# KiCad board rabbit_mask.kicad_pcb (continued)
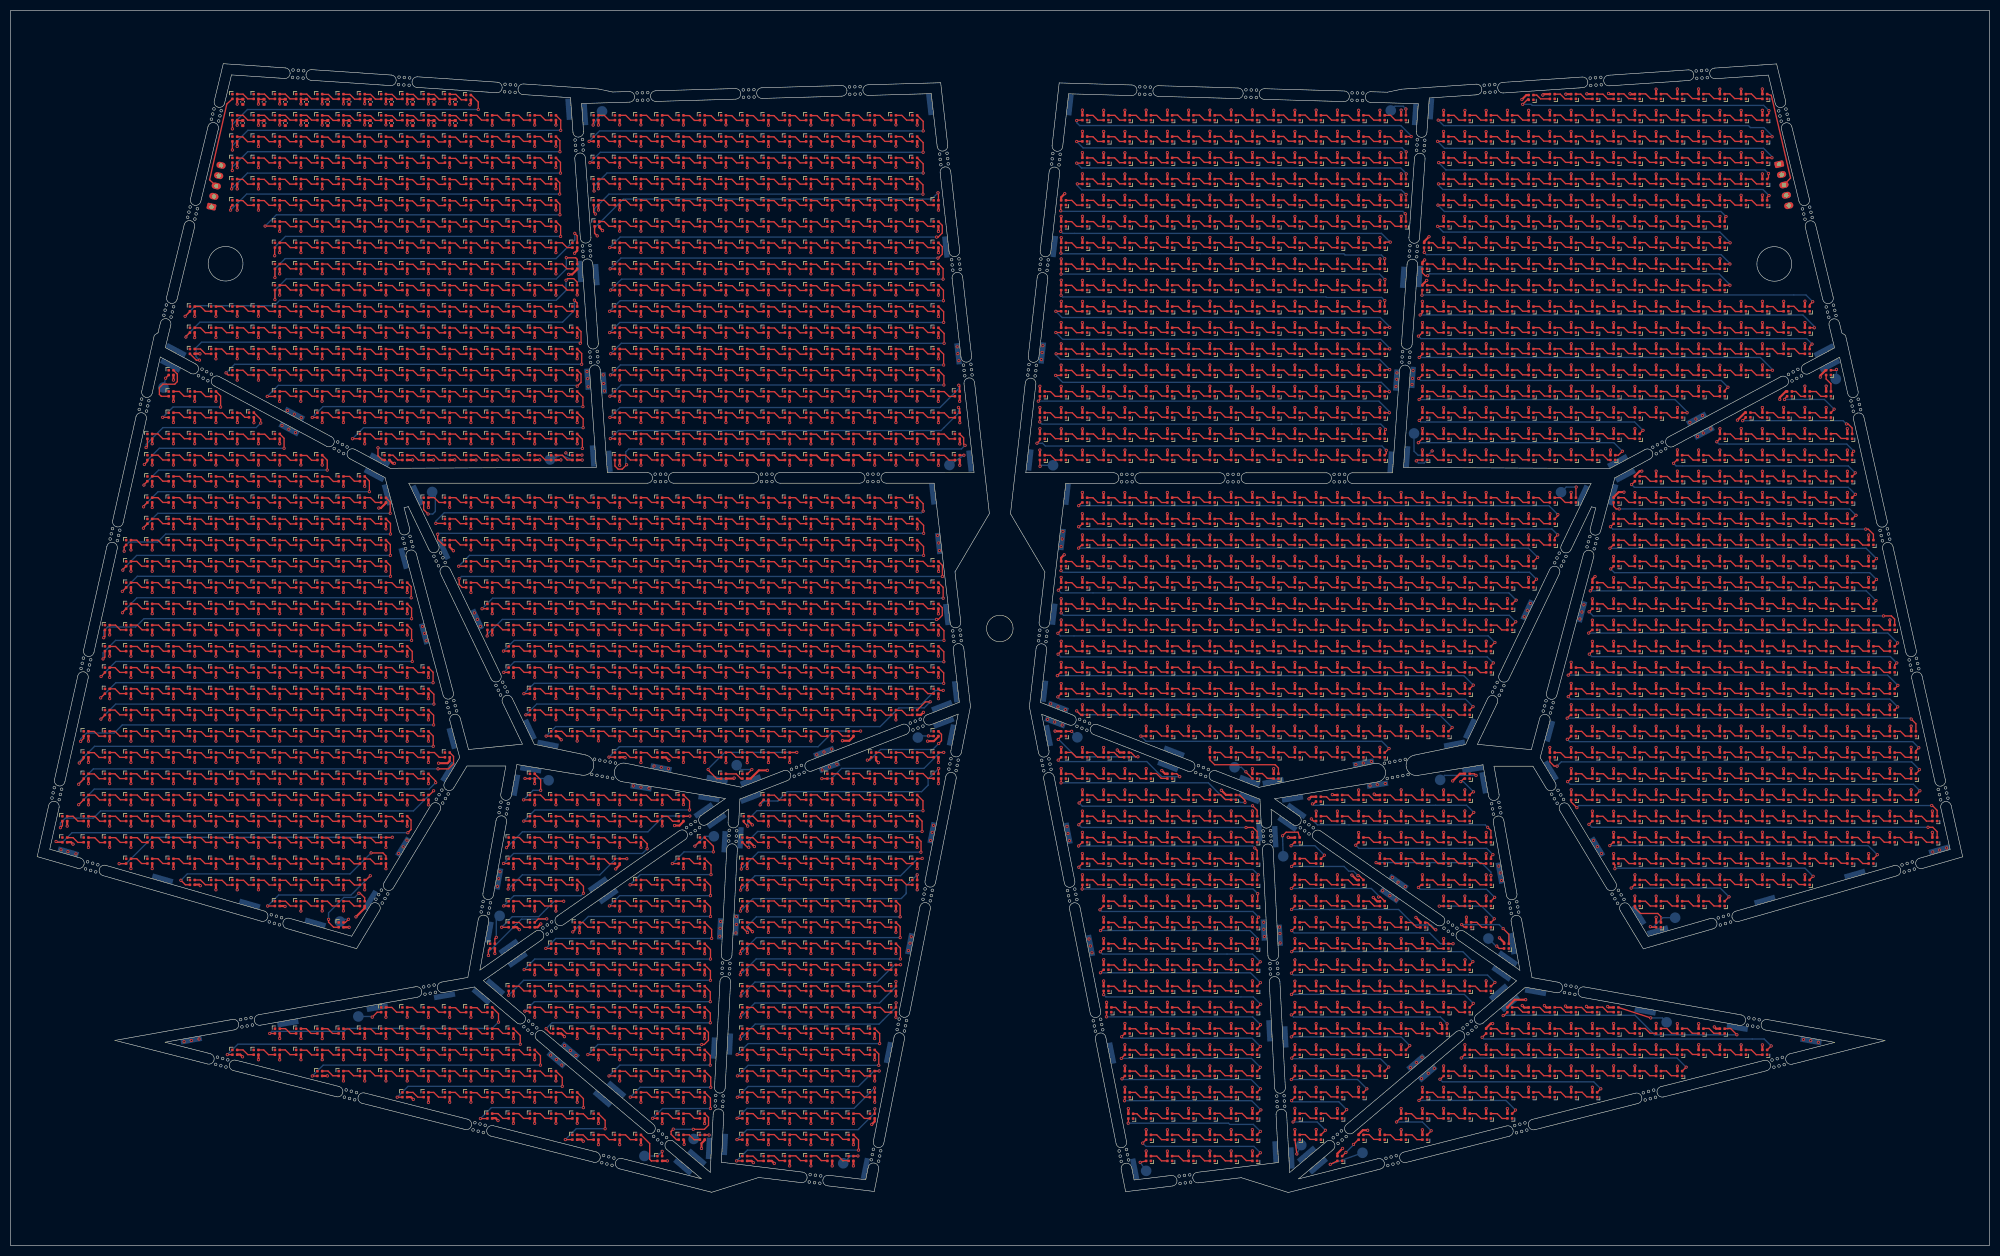
[diagram p0: board, top side]
## Routing (per net, layer and track width the routed paths; a pad name or vN(x,y) marks a point on that pad's centre or on a via; arc(x,y) is an arc through that point) (continued)
Net-(D1492-DIN): length 3.5
  Top w0.25: 317.68,215.96 316.58,215.96 315.68,216.86 314.58,216.86
Net-(D1493-DIN): length 3.5
  Top w0.25: 321.73,215.96 320.63,215.96 319.73,216.86 318.63,216.86
Net-(D1494-DIN): length 3.5
  Top w0.25: 322.53,216.86 323.63,216.86 324.53,215.96 325.63,215.96
Net-(D1495-DIN): length 3.5
  Top w0.25: 326.58,216.86 327.68,216.86 328.58,215.96 329.68,215.96
Net-(D1497-DIN): length 3.5
  Top w0.25: D1498.3 204.65,211.91 203.75,212.81 D1497.1
Net-(D1497-DOUT): length 66.6
  Top w0.25: D1497.3 200.75,211.91 v1(200.68,211.84) ; v1(263.64,208.81) D1544.1
  Bottom w0.25: v1(263.64,208.81) 263.64,208.95 261.7,210.89 201.22,210.89 200.68,211.43 v1(200.68,211.84)
Net-(D1498-DIN): length 3.5
  Top w0.25: 209.85,211.91 208.75,211.91 207.85,212.81 206.75,212.81
Net-(D1499-DIN): length 3.5
  Top w0.25: 210.75,212.81 211.85,212.81 212.75,211.91 213.85,211.91
Net-(D1500-DIN): length 3.5
  Top w0.25: D1501.3 216.65,211.91 215.75,212.81 D1500.1
Net-(D1501-DIN): length 3.5
  Top w0.25: 221.7,211.96 220.6,211.96 219.7,212.86 218.6,212.86
Net-(D1502-DIN): length 3.5
  Top w0.25: 225.8,211.96 224.7,211.96 223.8,212.86 222.7,212.86
Net-(D1503-DIN): length 3.5
  Top w0.25: 226.7,212.86 227.8,212.86 228.7,211.96 229.8,211.96
Net-(D1504-DIN): length 3.5
  Top w0.25: 230.6,212.86 231.7,212.86 232.6,211.96 233.7,211.96
Net-(D1505-DIN): length 3.5
  Top w0.25: 237.75,211.96 236.65,211.96 235.75,212.86 234.65,212.86
Net-(D1506-DIN): length 3.5
  Top w0.25: 238.55,212.86 239.65,212.86 240.55,211.96 241.65,211.96
Net-(D1507-DIN): length 3.5
  Top w0.25: 245.7,211.96 244.6,211.96 243.7,212.86 242.6,212.86
Net-(D1508-DIN): length 3.5
  Top w0.25: D1509.3 248.65,211.91 247.75,212.81 D1508.1
Net-(D1509-DIN): length 3.5
  Top w0.25: 253.8,211.91 252.7,211.91 251.8,212.81 250.7,212.81
Net-(D1510-DIN): length 3.5
  Top w0.25: 257.7,211.91 256.6,211.91 255.7,212.81 254.6,212.81
Net-(D1511-DIN): length 3.5
  Top w0.25: D1512.3 260.65,211.91 259.75,212.81 D1511.1
Net-(D1513-DIN): length 3.5
  Top w0.25: 270.64,212.81 271.74,212.81 272.64,211.91 273.74,211.91
Net-(D1513-DOUT): length 66.2
  Top w0.25: v1(268.72,211.91) D1513.3 ; v1(331.57,208.79) 331.55,208.81 D1560.1
  Bottom w0.25: v1(268.72,211.91) 269.75,210.89 327.12,210.89 327.5,210.51 330.04,210.51 331.57,208.98 v1(331.57,208.79)
Net-(D1514-DIN): length 3.5
  Top w0.25: 277.84,211.91 276.74,211.91 275.84,212.81 274.74,212.81
Net-(D1515-DIN): length 3.5
  Top w0.25: 278.74,212.81 279.84,212.81 280.74,211.91 281.84,211.91
Net-(D1516-DIN): length 3.5
  Top w0.25: 282.64,212.81 283.74,212.81 284.64,211.91 285.74,211.91
Net-(D1517-DIN): length 3.5
  Top w0.25: 286.59,212.86 287.69,212.86 288.59,211.96 289.69,211.96
Net-(D1518-DIN): length 3.5
  Top w0.25: 290.69,212.86 291.79,212.86 292.69,211.96 293.79,211.96
Net-(D1519-DIN): length 3.5
  Top w0.25: 297.79,211.96 296.69,211.96 295.79,212.86 294.69,212.86
Net-(D1520-DIN): length 3.5
  Top w0.25: 298.59,212.86 299.69,212.86 300.59,211.96 301.69,211.96
Net-(D1521-DIN): length 3.5
  Top w0.25: 305.74,211.96 304.64,211.96 303.74,212.86 302.64,212.86
Net-(D1522-DIN): length 3.5
  Top w0.25: 306.54,212.86 307.64,212.86 308.54,211.96 309.64,211.96
Net-(D1523-DIN): length 3.5
  Top w0.25: 313.69,211.96 312.59,211.96 311.69,212.86 310.59,212.86
Net-(D1524-DIN): length 3.5
  Top w0.25: 314.64,212.81 315.74,212.81 316.64,211.91 317.74,211.91
Net-(D1525-DIN): length 3.5
  Top w0.25: 318.69,212.81 319.79,212.81 320.69,211.91 321.79,211.91
Net-(D1526-DIN): length 3.5
  Top w0.25: 322.59,212.81 323.69,212.81 324.59,211.91 325.69,211.91
Net-(D1527-DIN): length 3.5
  Top w0.25: 329.74,211.91 328.64,211.91 327.74,212.81 326.64,212.81
Net-(D1529-DIN): length 3.5
  Top w0.25: 202.64,208.79 203.74,208.79 204.64,207.89 205.74,207.89
Net-(D1529-DOUT): length 65.1
  Top w0.25: D1529.3 200.7,207.91 v1(200.67,207.89) ; D1576.1 262.7,204.86 v1(262.7,205.94)
  Bottom w0.25: v1(262.7,205.94) 261.95,206.69 201.88,206.69 v1(200.67,207.89)
Net-(D1530-DIN): length 3.5
  Top w0.25: 206.74,208.79 207.84,208.79 208.74,207.89 209.84,207.89
Net-(D1531-DIN): length 3.5
  Top w0.25: 213.84,207.89 212.74,207.89 211.84,208.79 210.74,208.79
Net-(D1532-DIN): length 3.5
  Top w0.25: 214.64,208.79 215.74,208.79 216.64,207.89 217.74,207.89
Net-(D1533-DIN): length 3.5
  Top w0.25: 221.69,207.94 220.59,207.94 219.69,208.84 218.59,208.84
Net-(D1534-DIN): length 3.5
  Top w0.25: 225.79,207.94 224.69,207.94 223.79,208.84 222.69,208.84
Net-(D1535-DIN): length 3.5
  Top w0.25: 229.79,207.94 228.69,207.94 227.79,208.84 226.69,208.84
Net-(D1536-DIN): length 3.5
  Top w0.25: 233.69,207.94 232.59,207.94 231.69,208.84 230.59,208.84
Net-(D1537-DIN): length 3.5
  Top w0.25: 234.64,208.84 235.74,208.84 236.64,207.94 237.74,207.94
Net-(D1538-DIN): length 3.5
  Top w0.25: 238.54,208.84 239.64,208.84 240.54,207.94 241.64,207.94
Net-(D1539-DIN): length 3.5
  Top w0.25: 242.59,208.84 243.69,208.84 244.59,207.94 245.69,207.94
Net-(D1540-DIN): length 3.5
  Top w0.25: 249.74,207.89 248.64,207.89 247.74,208.79 246.64,208.79
Net-(D1541-DIN): length 3.5
  Top w0.25: 253.79,207.89 252.69,207.89 251.79,208.79 250.69,208.79
Net-(D1542-DIN): length 3.5
  Top w0.25: 257.69,207.89 256.59,207.89 255.69,208.79 254.59,208.79
Net-(D1543-DIN): length 3.5
  Top w0.25: 261.74,207.89 260.64,207.89 259.74,208.79 258.64,208.79
Net-(D1545-DIN): length 3.5
  Top w0.25: 273.75,207.9 272.65,207.9 271.75,208.8 270.65,208.8
Net-(D1545-DOUT): length 66.4
  Top w0.25: D1592.1 330.68,204.84 v1(331.55,204.84) ; D1545.3 v1(268.6,207.91)
  Bottom w0.25: v1(268.6,207.91) 269.9,206.61 329.97,206.61 331.55,205.03 v1(331.55,204.84)
Net-(D1546-DIN): length 3.5
  Top w0.25: 277.85,207.9 276.75,207.9 275.85,208.8 274.75,208.8
Net-(D1547-DIN): length 3.5
  Top w0.25: 278.75,208.8 279.85,208.8 280.75,207.9 281.85,207.9
Net-(D1548-DIN): length 3.5
  Top w0.25: 282.65,208.8 283.75,208.8 284.65,207.9 285.75,207.9
Net-(D1549-DIN): length 3.5
  Top w0.25: 289.7,207.95 288.6,207.95 287.7,208.85 286.6,208.85
Net-(D1550-DIN): length 3.5
  Top w0.25: 293.8,207.95 292.7,207.95 291.8,208.85 290.7,208.85
Net-(D1551-DIN): length 3.5
  Top w0.25: 297.8,207.95 296.7,207.95 295.8,208.85 294.7,208.85
Net-(D1552-DIN): length 3.5
  Top w0.25: 301.7,207.95 300.6,207.95 299.7,208.85 298.6,208.85
Net-(D1553-DIN): length 3.5
  Top w0.25: 302.65,208.85 303.75,208.85 304.65,207.95 305.75,207.95
Net-(D1554-DIN): length 3.5
  Top w0.25: 309.65,207.95 308.55,207.95 307.65,208.85 306.55,208.85
Net-(D1555-DIN): length 3.5
  Top w0.25: 313.7,207.95 312.6,207.95 311.7,208.85 310.6,208.85
Net-(D1556-DIN): length 3.5
  Top w0.25: 314.65,208.8 315.75,208.8 316.65,207.9 317.75,207.9
Net-(D1557-DIN): length 3.5
  Top w0.25: 321.8,207.9 320.7,207.9 319.8,208.8 318.7,208.8
Net-(D1558-DIN): length 3.5
  Top w0.25: 325.7,207.9 324.6,207.9 323.7,208.8 322.6,208.8
Net-(D1559-DIN): length 3.5
  Top w0.25: 326.65,208.8 327.75,208.8 328.65,207.9 329.75,207.9
Net-(D1561-DIN): length 3.5
  Top w0.25: 202.63,204.8 203.73,204.8 204.63,203.9 205.73,203.9
Net-(D1561-DOUT): length 65
  Top w0.25: v1(200.67,203.81) 201.65,203.81 D1561.3 ; D1608.1 262.65,201.74 v1(262.7,201.79)
  Bottom w0.25: v1(262.7,201.79) 262.7,201.87 261.66,202.91 201.57,202.91 v1(200.67,203.81)
Net-(D1562-DIN): length 3.5
  Top w0.25: 206.73,204.8 207.83,204.8 208.73,203.9 209.83,203.9
Net-(D1563-DIN): length 3.5
  Top w0.25: 210.73,204.8 211.83,204.8 212.73,203.9 213.83,203.9
Net-(D1564-DIN): length 3.5
  Top w0.25: 217.73,203.9 216.63,203.9 215.73,204.8 214.63,204.8
Net-(D1565-DIN): length 3.5
  Top w0.25: 221.68,203.95 220.58,203.95 219.68,204.85 218.58,204.85
Net-(D1566-DIN): length 3.5
  Top w0.25: 222.68,204.85 223.78,204.85 224.68,203.95 225.78,203.95
Net-(D1567-DIN): length 3.5
  Top w0.25: 226.68,204.85 227.78,204.85 228.68,203.95 229.78,203.95
Net-(D1568-DIN): length 3.5
  Top w0.25: 233.68,203.95 232.58,203.95 231.68,204.85 230.58,204.85
Net-(D1569-DIN): length 3.5
  Top w0.25: 237.73,203.95 236.63,203.95 235.73,204.85 234.63,204.85
Net-(D1570-DIN): length 3.5
  Top w0.25: 238.53,204.85 239.63,204.85 240.53,203.95 241.63,203.95
Net-(D1571-DIN): length 3.5
  Top w0.25: 245.68,203.95 244.58,203.95 243.68,204.85 242.58,204.85
Net-(D1572-DIN): length 3.5
  Top w0.25: 246.63,204.8 247.73,204.8 248.63,203.9 249.73,203.9
Net-(D1573-DIN): length 3.5
  Top w0.25: 250.68,204.8 251.78,204.8 252.68,203.9 253.78,203.9
Net-(D1574-DIN): length 3.5
  Top w0.25: 254.58,204.8 255.68,204.8 256.58,203.9 257.68,203.9
Net-(D1575-DIN): length 3.5
  Top w0.25: 261.73,203.9 260.63,203.9 259.73,204.8 258.63,204.8
Net-(D1577-DIN): length 3.5
  Top w0.25: 270.65,204.8 271.75,204.8 272.65,203.9 273.75,203.9
Net-(D1577-DOUT): length 65.1
  Top w0.25: D1624.1 330.9,201.06 v1(330.9,201.86) ; v1(268.8,203.91) D1577.3
  Bottom w0.25: v1(330.9,201.86) 330.22,202.54 270.18,202.54 v1(268.8,203.91)
Net-(D1578-DIN): length 3.5
  Top w0.25: 277.85,203.9 276.75,203.9 275.85,204.8 274.75,204.8
Net-(D1579-DIN): length 3.5
  Top w0.25: 278.75,204.8 279.85,204.8 280.75,203.9 281.85,203.9
Net-(D1580-DIN): length 3.5
  Top w0.25: 282.65,204.8 283.75,204.8 284.65,203.9 285.75,203.9
Net-(D1581-DIN): length 3.5
  Top w0.25: 286.6,204.85 287.7,204.85 288.6,203.95 289.7,203.95
Net-(D1582-DIN): length 3.5
  Top w0.25: 293.8,203.95 292.7,203.95 291.8,204.85 290.7,204.85
Net-(D1583-DIN): length 3.5
  Top w0.25: 297.8,203.95 296.7,203.95 295.8,204.85 294.7,204.85
Net-(D1584-DIN): length 3.5
  Top w0.25: 298.6,204.85 299.7,204.85 300.6,203.95 301.7,203.95
Net-(D1585-DIN): length 3.5
  Top w0.25: 302.65,204.85 303.75,204.85 304.65,203.95 305.75,203.95
Net-(D1586-DIN): length 3.5
  Top w0.25: 306.55,204.85 307.65,204.85 308.55,203.95 309.65,203.95
Net-(D1587-DIN): length 3.5
  Top w0.25: 313.7,203.95 312.6,203.95 311.7,204.85 310.6,204.85
Net-(D1588-DIN): length 3.5
  Top w0.25: 314.65,204.8 315.75,204.8 316.65,203.9 317.75,203.9
Net-(D1589-DIN): length 3.5
  Top w0.25: 318.7,204.8 319.8,204.8 320.7,203.9 321.8,203.9
Net-(D1590-DIN): length 3.5
  Top w0.25: 325.7,203.9 324.6,203.9 323.7,204.8 322.6,204.8
Net-(D1591-DIN): length 3.5
  Top w0.25: 329.75,203.9 328.65,203.9 327.75,204.8 326.65,204.8
Net-(D1593-DIN): length 3.5
  Top w0.25: 205.74,199.92 204.64,199.92 203.74,200.82 202.64,200.82
Net-(D1593-DOUT): length 65
  Top w0.25: v1(262.68,197.91) 262.68,196.84 D1642.1 ; D1593.3 v1(200.8,199.91)
  Bottom w0.25: v1(262.68,197.91) 262.65,197.91 261.8,198.76 201.62,198.76 200.8,199.59 v1(200.8,199.91)
Net-(D1594-DIN): length 3.5
  Top w0.25: 206.74,200.82 207.84,200.82 208.74,199.92 209.84,199.92
Net-(D1595-DIN): length 3.5
  Top w0.25: 213.84,199.92 212.74,199.92 211.84,200.82 210.74,200.82
Net-(D1596-DIN): length 3.5
  Top w0.25: 217.74,199.92 216.64,199.92 215.74,200.82 214.64,200.82
Net-(D1597-DIN): length 3.5
  Top w0.25: 221.69,199.97 220.59,199.97 219.69,200.87 218.59,200.87
Net-(D1598-DIN): length 3.5
  Top w0.25: 222.69,200.87 223.79,200.87 224.69,199.97 225.79,199.97
Net-(D1599-DIN): length 3.5
  Top w0.25: 229.79,199.97 228.69,199.97 227.79,200.87 226.69,200.87
Net-(D1600-DIN): length 3.5
  Top w0.25: 230.59,200.87 231.69,200.87 232.59,199.97 233.69,199.97
Net-(D1601-DIN): length 3.5
  Top w0.25: 234.64,200.87 235.74,200.87 236.64,199.97 237.74,199.97
Net-(D1602-DIN): length 3.5
  Top w0.25: 238.54,200.87 239.64,200.87 240.54,199.97 241.64,199.97
Net-(D1603-DIN): length 3.5
  Top w0.25: 245.69,199.97 244.59,199.97 243.69,200.87 242.59,200.87
Net-(D1604-DIN): length 3.5
  Top w0.25: 246.64,200.82 247.74,200.82 248.64,199.92 249.74,199.92
Net-(D1605-DIN): length 3.5
  Top w0.25: 253.79,199.92 252.69,199.92 251.79,200.82 250.69,200.82
Net-(D1606-DIN): length 3.5
  Top w0.25: 257.69,199.92 256.59,199.92 255.69,200.82 254.59,200.82
Net-(D1607-DIN): length 3.5
  Top w0.25: 258.64,200.82 259.74,200.82 260.64,199.92 261.74,199.92
Net-(D1609-DIN): length 3.5
  Top w0.25: 273.74,199.9 272.64,199.9 271.74,200.8 270.64,200.8
Net-(D1609-DOUT): length 65.3
  Top w0.25: D1609.3 v1(268.77,199.91) ; D1658.1 330.65,197.36 v1(331,197.71)
  Bottom w0.25: v1(331,197.71) 329.88,198.84 269.6,198.84 268.77,199.66 v1(268.77,199.91)
Net-(D1610-DIN): length 3.5
  Top w0.25: 274.74,200.8 275.84,200.8 276.74,199.9 277.84,199.9
Net-(D1611-DIN): length 3.5
  Top w0.25: 278.74,200.8 279.84,200.8 280.74,199.9 281.84,199.9
Net-(D1612-DIN): length 3.5
  Top w0.25: 282.64,200.8 283.74,200.8 284.64,199.9 285.74,199.9
Net-(D1613-DIN): length 3.5
  Top w0.25: 286.59,200.85 287.69,200.85 288.59,199.95 289.69,199.95
Net-(D1614-DIN): length 3.5
  Top w0.25: 293.79,199.95 292.69,199.95 291.79,200.85 290.69,200.85
Net-(D1615-DIN): length 3.5
  Top w0.25: 297.79,199.95 296.69,199.95 295.79,200.85 294.69,200.85
Net-(D1616-DIN): length 3.5
  Top w0.25: 298.59,200.85 299.69,200.85 300.59,199.95 301.69,199.95
Net-(D1617-DIN): length 3.5
  Top w0.25: 302.64,200.85 303.74,200.85 304.64,199.95 305.74,199.95
Net-(D1618-DIN): length 3.5
  Top w0.25: 306.54,200.85 307.64,200.85 308.54,199.95 309.64,199.95
Net-(D1619-DIN): length 3.5
  Top w0.25: 313.69,199.95 312.59,199.95 311.69,200.85 310.59,200.85
Net-(D1620-DIN): length 3.5
  Top w0.25: 317.74,199.9 316.64,199.9 315.74,200.8 314.64,200.8
Net-(D1621-DIN): length 3.5
  Top w0.25: 321.79,199.9 320.69,199.9 319.79,200.8 318.69,200.8
Net-(D1622-DIN): length 3.5
  Top w0.25: 322.59,200.8 323.69,200.8 324.59,199.9 325.69,199.9
Net-(D1623-DIN): length 3.5
  Top w0.25: 329.74,199.9 328.64,199.9 327.74,200.8 326.64,200.8
Net-(D1625-DIN): length 3.7
  Top w0.25: v1(264.6,147.74) 264.77,147.91 D2048.3 265.7,147.86
  Bottom w0.25: v1(264.6,147.74) 265,147.34 266.07,147.34 D1625.1
Net-(D1626-DIN): length 3.5
  Top w0.25: 198.65,196.8 199.75,196.8 200.65,195.9 201.75,195.9
Net-(D1626-DOUT): length 67.7
  Top w0.25: D1676.1 262.65,194.16 v1(262.52,194.3) ; v1(197.67,194.84) 197.67,195.84 D1626.3
  Bottom w0.25: v1(197.67,194.84) 197.77,194.74 262.07,194.74 v1(262.52,194.3)
Net-(D1627-DIN): length 3.5
  Top w0.25: 205.85,195.9 204.75,195.9 203.85,196.8 202.75,196.8
Net-(D1628-DIN): length 3.5
  Top w0.25: 206.75,196.8 207.85,196.8 208.75,195.9 209.85,195.9
Net-(D1629-DIN): length 3.5
  Top w0.25: 213.75,195.9 212.65,195.9 211.75,196.8 210.65,196.8
Net-(D1630-DIN): length 3.5
  Top w0.25: 217.7,195.95 216.6,195.95 215.7,196.85 214.6,196.85
Net-(D1631-DIN): length 3.5
  Top w0.25: 221.8,195.95 220.7,195.95 219.8,196.85 218.7,196.85
Net-(D1632-DIN): length 3.5
  Top w0.25: 225.8,195.95 224.7,195.95 223.8,196.85 222.7,196.85
Net-(D1633-DIN): length 3.5
  Top w0.25: 229.7,195.95 228.6,195.95 227.7,196.85 226.6,196.85
Net-(D1634-DIN): length 3.5
  Top w0.25: 230.65,196.85 231.75,196.85 232.65,195.95 233.75,195.95
Net-(D1635-DIN): length 3.5
  Top w0.25: 237.65,195.95 236.55,195.95 235.65,196.85 234.55,196.85
Net-(D1636-DIN): length 3.5
  Top w0.25: 241.7,195.95 240.6,195.95 239.7,196.85 238.6,196.85
Net-(D1637-DIN): length 3.5
  Top w0.25: 245.75,195.9 244.65,195.9 243.75,196.8 242.65,196.8
Net-(D1638-DIN): length 3.5
  Top w0.25: 246.7,196.8 247.8,196.8 248.7,195.9 249.8,195.9
Net-(D1639-DIN): length 3.5
  Top w0.25: 253.7,195.9 252.6,195.9 251.7,196.8 250.6,196.8
Net-(D1640-DIN): length 3.5
  Top w0.25: 254.65,196.8 255.75,196.8 256.65,195.9 257.75,195.9
Net-(D1641-DIN): length 3.5
  Top w0.25: 258.64,196.8 259.74,196.8 260.64,195.9 261.74,195.9
Net-(D1643-DIN): length 3.5
  Top w0.25: 273.75,195.9 272.65,195.9 271.75,196.8 270.65,196.8
Net-(D1643-DOUT): length 57.2
  Top w0.25: D1690.1 322.7,192.86 322.7,193.56 v1(322.9,193.76) ; v1(268.68,195.91) D1643.3
  Bottom w0.25: v1(268.68,195.91) 269.88,194.71 321.95,194.71 v1(322.9,193.76)
Net-(D1644-DIN): length 3.5
  Top w0.25: 277.85,195.9 276.75,195.9 275.85,196.8 274.75,196.8
Net-(D1645-DIN): length 3.5
  Top w0.25: 278.75,196.8 279.85,196.8 280.75,195.9 281.85,195.9
Net-(D1646-DIN): length 3.5
  Top w0.25: 285.75,195.9 284.65,195.9 283.75,196.8 282.65,196.8
Net-(D1647-DIN): length 3.5
  Top w0.25: 289.7,195.95 288.6,195.95 287.7,196.85 286.6,196.85
Net-(D1648-DIN): length 3.5
  Top w0.25: 290.7,196.85 291.8,196.85 292.7,195.95 293.8,195.95
Net-(D1649-DIN): length 3.5
  Top w0.25: 297.8,195.95 296.7,195.95 295.8,196.85 294.7,196.85
Net-(D1650-DIN): length 3.5
  Top w0.25: 298.6,196.85 299.7,196.85 300.6,195.95 301.7,195.95
Net-(D1651-DIN): length 3.5
  Top w0.25: 305.75,195.95 304.65,195.95 303.75,196.85 302.65,196.85
Net-(D1652-DIN): length 3.5
  Top w0.25: 306.55,196.85 307.65,196.85 308.55,195.95 309.65,195.95
Net-(D1653-DIN): length 3.5
  Top w0.25: 313.7,195.95 312.6,195.95 311.7,196.85 310.6,196.85
Net-(D1654-DIN): length 3.5
  Top w0.25: 317.75,195.9 316.65,195.9 315.75,196.8 314.65,196.8
Net-(D1655-DIN): length 3.5
  Top w0.25: 321.8,195.9 320.7,195.9 319.8,196.8 318.7,196.8
Net-(D1656-DIN): length 3.5
  Top w0.25: 322.6,196.8 323.7,196.8 324.6,195.9 325.7,195.9
Net-(D1657-DIN): length 3.5
  Top w0.25: 326.65,196.8 327.75,196.8 328.65,195.9 329.75,195.9
Net-(D1659-DIN): length 1.8
  Top w0.25: D565.3 106.67,148.84 v1(107.55,148.84)
  Bottom w0.25: v1(107.55,148.84) 107.52,148.81 D565.3
Net-(D1660-DIN): length 3.5
  Top w0.25: 201.74,191.9 200.64,191.9 199.74,192.8 198.64,192.8
Net-(D1660-DOUT): length 64.9
  Top w0.25: D1709.1 258.77,188.94 v1(259.7,188.94) ; D1660.3 197.75,191.04 v1(197.67,190.96)
  Bottom w0.25: v1(259.7,188.94) 258.05,190.59 198.05,190.59 v1(197.67,190.96)
Net-(D1661-DIN): length 3.5
  Top w0.25: 202.74,192.8 203.84,192.8 204.74,191.9 205.84,191.9
Net-(D1662-DIN): length 3.5
  Top w0.25: 206.74,192.8 207.84,192.8 208.74,191.9 209.84,191.9
Net-(D1663-DIN): length 3.5
  Top w0.25: 213.74,191.9 212.64,191.9 211.74,192.8 210.64,192.8
Net-(D1664-DIN): length 3.5
  Top w0.25: 214.59,192.85 215.69,192.85 216.59,191.95 217.69,191.95
Net-(D1665-DIN): length 3.5
  Top w0.25: 221.79,191.95 220.69,191.95 219.79,192.85 218.69,192.85
Net-(D1666-DIN): length 3.5
  Top w0.25: 225.79,191.95 224.69,191.95 223.79,192.85 222.69,192.85
Net-(D1667-DIN): length 3.5
  Top w0.25: 226.59,192.85 227.69,192.85 228.59,191.95 229.69,191.95
Net-(D1668-DIN): length 3.5
  Top w0.25: 233.74,191.95 232.64,191.95 231.74,192.85 230.64,192.85
Net-(D1669-DIN): length 3.5
  Top w0.25: 237.64,191.95 236.54,191.95 235.64,192.85 234.54,192.85
Net-(D1670-DIN): length 3.5
  Top w0.25: 241.69,191.95 240.59,191.95 239.69,192.85 238.59,192.85
Net-(D1671-DIN): length 3.5
  Top w0.25: 242.64,192.8 243.74,192.8 244.64,191.9 245.74,191.9
Net-(D1672-DIN): length 3.5
  Top w0.25: 246.69,192.8 247.79,192.8 248.69,191.9 249.79,191.9
Net-(D1673-DIN): length 3.5
  Top w0.25: 253.69,191.9 252.59,191.9 251.69,192.8 250.59,192.8
Net-(D1674-DIN): length 3.5
  Top w0.25: 254.64,192.8 255.74,192.8 256.64,191.9 257.74,191.9
Net-(D1675-DIN): length 3.5
  Top w0.25: 261.73,191.91 260.63,191.91 259.73,192.81 258.63,192.81
Net-(D1677-DIN): length 3.5
  Top w0.25: 270.64,192.8 271.74,192.8 272.64,191.9 273.74,191.9
Net-(D1677-DOUT): length 58.6
  Top w0.25: v1(323.68,188.81) D1724.1 ; D1677.3 v1(268.6,191.91)
  Bottom w0.25: v1(323.68,188.81) 323.68,188.91 321.75,190.84 269.68,190.84 v1(268.6,191.91)
Net-(D1678-DIN): length 3.5
  Top w0.25: 274.74,192.8 275.84,192.8 276.74,191.9 277.84,191.9
Net-(D1679-DIN): length 3.5
  Top w0.25: 278.74,192.8 279.84,192.8 280.74,191.9 281.84,191.9
Net-(D1680-DIN): length 3.5
  Top w0.25: 282.64,192.8 283.74,192.8 284.64,191.9 285.74,191.9
Net-(D1681-DIN): length 3.5
  Top w0.25: 286.59,192.85 287.69,192.85 288.59,191.95 289.69,191.95
Net-(D1682-DIN): length 3.5
  Top w0.25: 290.69,192.85 291.79,192.85 292.69,191.95 293.79,191.95
Net-(D1683-DIN): length 3.5
  Top w0.25: 297.79,191.95 296.69,191.95 295.79,192.85 294.69,192.85
Net-(D1684-DIN): length 3.5
  Top w0.25: 301.69,191.95 300.59,191.95 299.69,192.85 298.59,192.85
Net-(D1685-DIN): length 3.5
  Top w0.25: 302.64,192.85 303.74,192.85 304.64,191.95 305.74,191.95
Net-(D1686-DIN): length 3.5
  Top w0.25: 309.64,191.95 308.54,191.95 307.64,192.85 306.54,192.85
Net-(D1687-DIN): length 3.5
  Top w0.25: 313.69,191.95 312.59,191.95 311.69,192.85 310.59,192.85
Net-(D1688-DIN): length 3.5
  Top w0.25: 317.74,191.9 316.64,191.9 315.74,192.8 314.64,192.8
Net-(D1689-DIN): length 3.5
  Top w0.25: 318.69,192.8 319.79,192.8 320.69,191.9 321.79,191.9
Net-(D1694-DIN): length 3.5
  Top w0.25: 198.64,188.8 199.74,188.8 200.64,187.9 201.74,187.9
Net-(D1694-DOUT): length 63.5
  Top w0.25: D1694.3 197.7,187.86 v1(197.7,186.86) ; D1740.1 258.65,185.8 v1(258.66,185.81)
  Bottom w0.25: v1(197.7,186.86) 197.82,186.74 250.97,186.74 251.2,186.51 258.05,186.51 258.66,185.9 v1(258.66,185.81)
Net-(D1695-DIN): length 3.5
  Top w0.25: 205.84,187.9 204.74,187.9 203.84,188.8 202.74,188.8
Net-(D1696-DIN): length 3.5
  Top w0.25: 209.84,187.9 208.74,187.9 207.84,188.8 206.74,188.8
Net-(D1697-DIN): length 3.5
  Top w0.25: 210.64,188.8 211.74,188.8 212.64,187.9 213.74,187.9
Net-(D1698-DIN): length 3.5
  Top w0.25: 217.69,187.95 216.59,187.95 215.69,188.85 214.59,188.85
Net-(D1699-DIN): length 3.5
  Top w0.25: 221.79,187.95 220.69,187.95 219.79,188.85 218.69,188.85
Net-(D1700-DIN): length 3.5
  Top w0.25: 222.69,188.85 223.79,188.85 224.69,187.95 225.79,187.95
Net-(D1701-DIN): length 3.5
  Top w0.25: 229.69,187.95 228.59,187.95 227.69,188.85 226.59,188.85
Net-(D1702-DIN): length 3.5
  Top w0.25: 233.74,187.95 232.64,187.95 231.74,188.85 230.64,188.85
Net-(D1703-DIN): length 3.5
  Top w0.25: 234.54,188.85 235.64,188.85 236.54,187.95 237.64,187.95
Net-(D1704-DIN): length 3.5
  Top w0.25: 241.69,187.95 240.59,187.95 239.69,188.85 238.59,188.85
Net-(D1705-DIN): length 3.5
  Top w0.25: 245.74,187.9 244.64,187.9 243.74,188.8 242.64,188.8
Net-(D1706-DIN): length 3.5
  Top w0.25: 249.79,187.9 248.69,187.9 247.79,188.8 246.69,188.8
Net-(D1707-DIN): length 3.5
  Top w0.25: 253.69,187.9 252.59,187.9 251.69,188.8 250.59,188.8
Net-(D1708-DIN): length 3.5
  Top w0.25: 257.74,187.9 256.64,187.9 255.74,188.8 254.64,188.8
Net-(D1710-DIN): length 3.2
  Top w0.25: 269.75,187.9 268.65,187.9 267.74,188.81 D1710.1
Net-(D1710-DOUT): length 60.5
  Top w0.25: D1710.3 266.07,187.01 v1(266.1,186.99) ; D1755.1 v1(323.65,184.81)
  Bottom w0.25: v1(323.65,184.81) 323.65,184.92 321.99,186.59 266.5,186.59 v1(266.1,186.99)
Net-(D1711-DIN): length 3.5
  Top w0.25: 273.85,187.9 272.75,187.9 271.85,188.8 270.75,188.8
Net-(D1712-DIN): length 3.5
  Top w0.25: 274.75,188.8 275.85,188.8 276.75,187.9 277.85,187.9
Net-(D1713-DIN): length 3.5
  Top w0.25: 281.75,187.9 280.65,187.9 279.75,188.8 278.65,188.8
Net-(D1714-DIN): length 3.5
  Top w0.25: 285.7,187.95 284.6,187.95 283.7,188.85 282.6,188.85
Net-(D1715-DIN): length 3.5
  Top w0.25: 286.7,188.85 287.8,188.85 288.7,187.95 289.8,187.95
Net-(D1716-DIN): length 3.5
  Top w0.25: 293.8,187.95 292.7,187.95 291.8,188.85 290.7,188.85
Net-(D1717-DIN): length 3.5
  Top w0.25: 297.7,187.95 296.6,187.95 295.7,188.85 294.6,188.85
Net-(D1718-DIN): length 3.5
  Top w0.25: 301.75,187.95 300.65,187.95 299.75,188.85 298.65,188.85
Net-(D1719-DIN): length 3.5
  Top w0.25: 305.65,187.95 304.55,187.95 303.65,188.85 302.55,188.85
Net-(D1720-DIN): length 3.5
  Top w0.25: 309.7,187.95 308.6,187.95 307.7,188.85 306.6,188.85
Net-(D1721-DIN): length 3.5
  Top w0.25: 313.75,187.9 312.65,187.9 311.75,188.8 310.65,188.8
Net-(D1722-DIN): length 3.5
  Top w0.25: 314.7,188.8 315.8,188.8 316.7,187.9 317.8,187.9
Net-(D1723-DIN): length 3.5
  Top w0.25: 321.7,187.9 320.6,187.9 319.7,188.8 318.6,188.8
Net-(D1725-DIN): length 3.5
  Top w0.25: 201.74,183.9 200.64,183.9 199.74,184.8 198.64,184.8
Net-(D1725-DOUT): length 63.5
  Top w0.25: v1(258.7,181.91) 258.7,180.86 D1771.1 ; v1(197.72,182.91) 197.75,182.94 D1725.3
  Bottom w0.25: v1(197.72,182.91) 257.7,182.91 v1(258.7,181.91)
Net-(D1726-DIN): length 3.5
  Top w0.25: 202.74,184.8 203.84,184.8 204.74,183.9 205.84,183.9
Net-(D1727-DIN): length 3.5
  Top w0.25: 206.74,184.8 207.84,184.8 208.74,183.9 209.84,183.9
Net-(D1728-DIN): length 3.5
  Top w0.25: 213.74,183.9 212.64,183.9 211.74,184.8 210.64,184.8
Net-(D1729-DIN): length 3.5
  Top w0.25: 217.69,183.95 216.59,183.95 215.69,184.85 214.59,184.85
Net-(D1730-DIN): length 3.5
  Top w0.25: 218.69,184.85 219.79,184.85 220.69,183.95 221.79,183.95
Net-(D1731-DIN): length 3.5
  Top w0.25: 225.79,183.95 224.69,183.95 223.79,184.85 222.69,184.85
Net-(D1732-DIN): length 3.5
  Top w0.25: 226.59,184.85 227.69,184.85 228.59,183.95 229.69,183.95
Net-(D1733-DIN): length 3.5
  Top w0.25: 230.64,184.85 231.74,184.85 232.64,183.95 233.74,183.95
Net-(D1734-DIN): length 3.5
  Top w0.25: 234.54,184.85 235.64,184.85 236.54,183.95 237.64,183.95
Net-(D1735-DIN): length 3.5
  Top w0.25: 241.69,183.95 240.59,183.95 239.69,184.85 238.59,184.85
Net-(D1736-DIN): length 3.5
  Top w0.25: 245.74,183.9 244.64,183.9 243.74,184.8 242.64,184.8
Net-(D1737-DIN): length 3.5
  Top w0.25: 249.79,183.9 248.69,183.9 247.79,184.8 246.69,184.8
Net-(D1738-DIN): length 3.5